# Altium PCB Luchador Pcb.PcbDoc (part 3 of 4)
Units mil, origin at the board's own origin, x right, y up, seen from the top; angles counter-clockwise.
Board outline 6102.25 x 2953 mil, 6 copper layers (Top Layer, GND PLANE 1, SL1(H), SL2(V), Power, Bottom Layer), stack 62.468 mil thick; 267 components, 233 nets, 1286 pads, 806 vias.
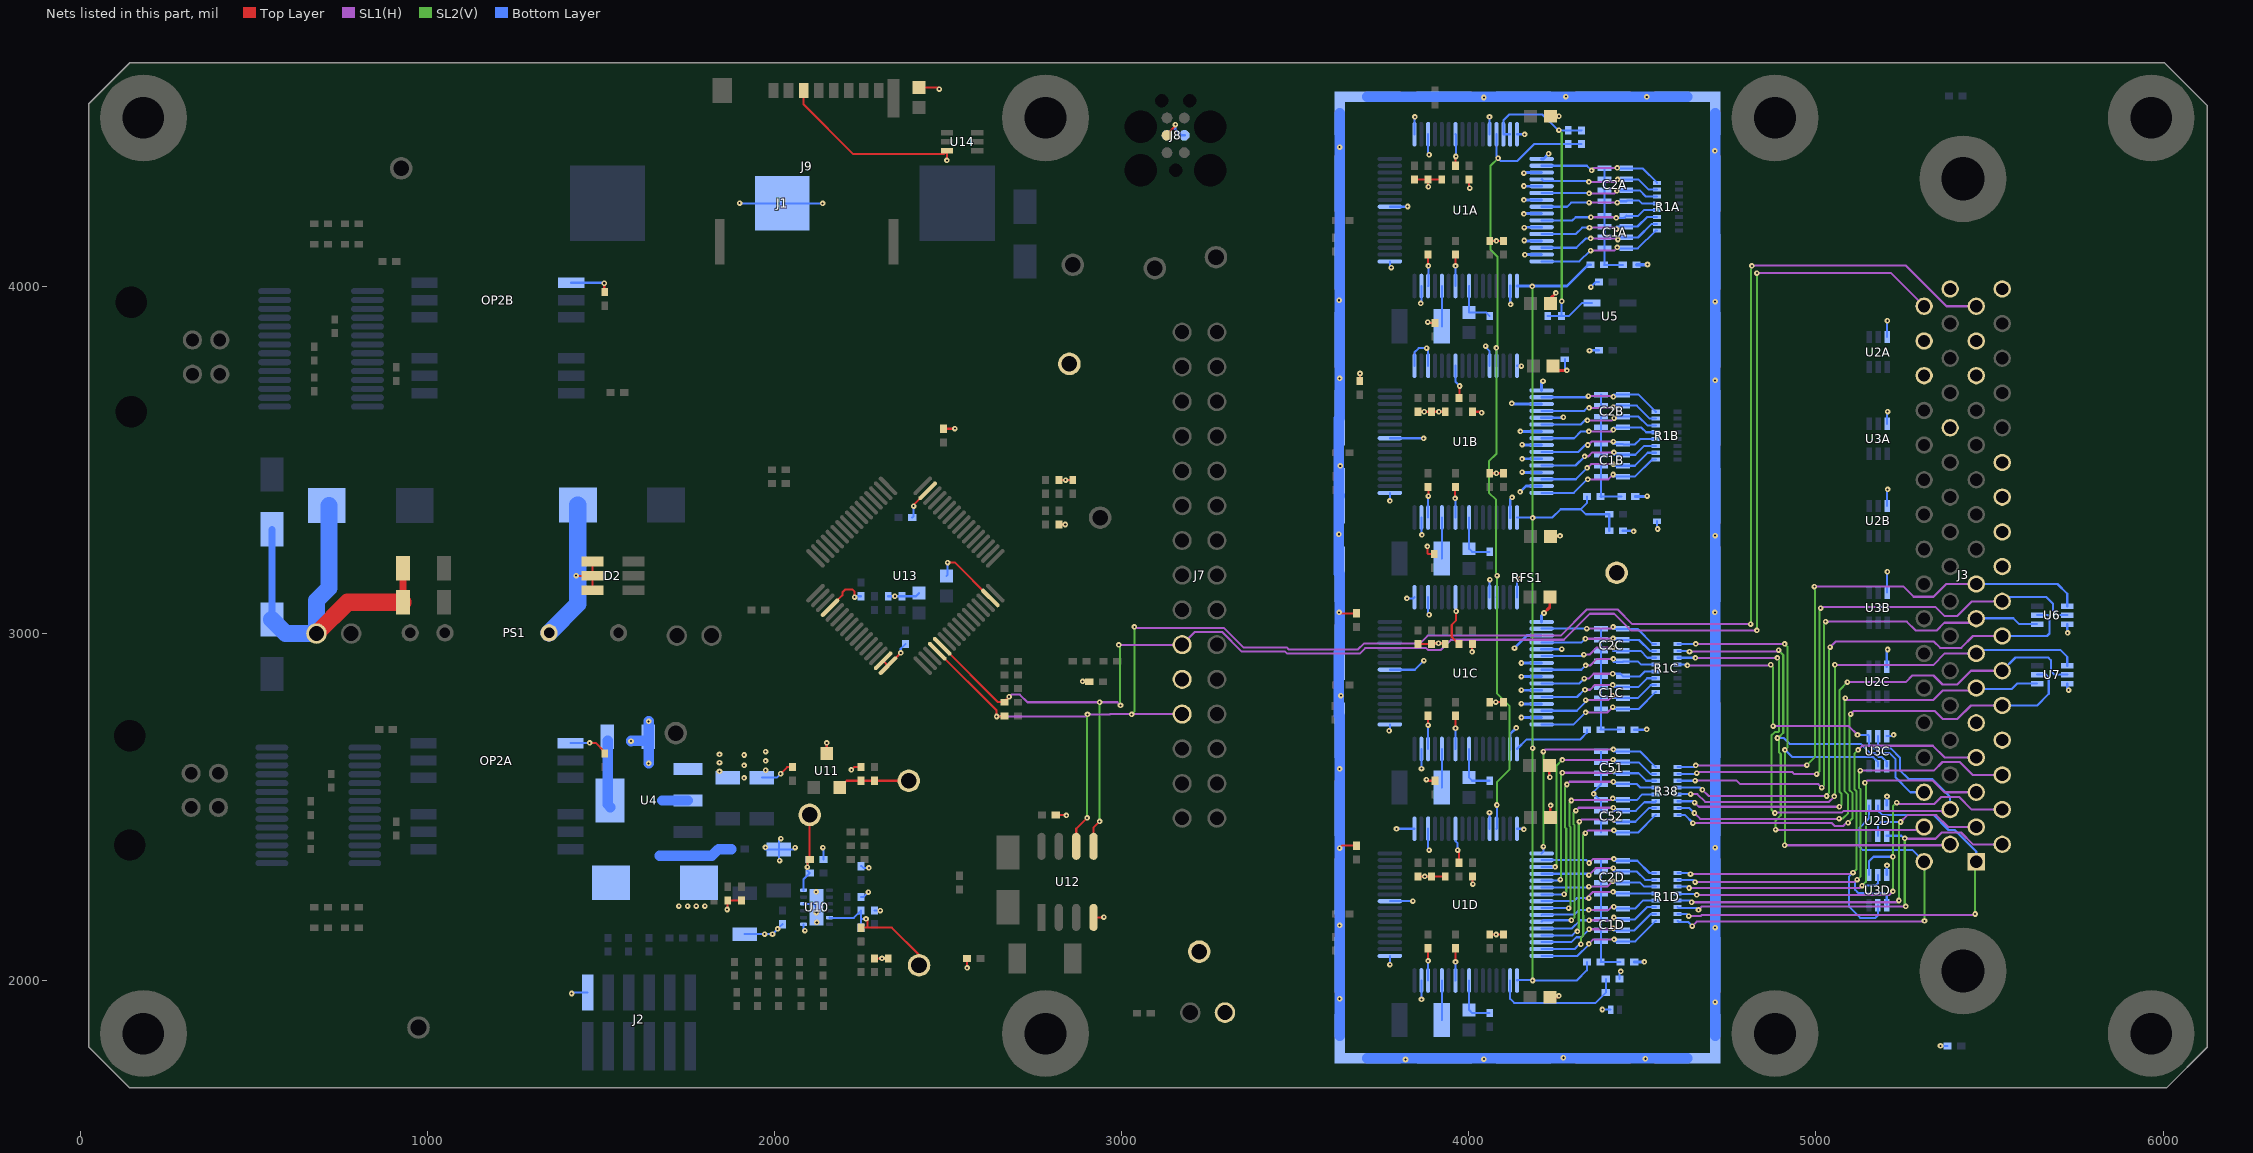
[diagram p7: the nets of this part, all layers, seen from the top]

## Via types
v1: diameter 16, hole 6, Top Layer to Bottom Layer, tented both sides, 806 vias

## Nets (pads, with @x,y where several pads share a name; then routed paths per layer and width w, separated by ;. In a path a pad name is that pad's centre, name@x,y a point inside that pad or via, vN(x,y) a via of type N, cw(c..) or ccw(c..) an arc to the next point about the centre after c; other vN are vias at no path point) (continued)
CH21: J3.39 R1C.B5 U3C.1 | length 1022.6
  SL1(H) w6: v1(4630,2908) 4868,2908 v1(4870,2910) ; v1(4877,2733) 5095,2733 v1(5120,2708) ; J3.39@5299.76,2555 J3.39@5312.01,2542.76
  SL2(V) w6: v1(4870,2910) 4877,2903 v1(4877,2733)
  Bottom Layer w6: R1C.B5@4601.77,2910.47 4627.53,2910.47 v1(4630,2908) ; v1(5120,2708) U3C.1@5151,2708 ; U3C.1@5153.15,2704.17 5153.15,2679.85 5164.72,2668.28 5174.69,2668.28 5186.69,2656.28 5211.72,2656.28 5230,2638 5230,2585.17 5272.41,2542.76 J3.39@5312.01,2542.76
CH22: J3.38 R1C.B6 U3C.2 | length 1626.1
  SL1(H) w6: v1(4653,2930) v1(4889,2930) ; v1(4882,2483) 4883,2484 5075.04,2484 5080.04,2489 5359.25,2489 5371.25,2477 J3.38@5387.01,2492.76
  SL2(V) w6: v1(4882,2483) 4872,2493 4872,2706.04 4881.96,2716 4891,2716 4894,2719 4894,2925 v1(4889,2930)
  Bottom Layer w6: R1C.B6@4601.77,2930.16 4652.84,2930.16 v1(4653,2930) ; U3C.2@5178.74,2704.17 5178.74,2681.2 5191.66,2668.28 5216.69,2668.28 5242,2642.97 5242,2606 5267.24,2580.76 5335.24,2580.76 5387.01,2528.99 J3.38@5387.01,2492.76
CH23: J3.37 R1C.B7 U3C.4 | length 1629.4
  SL1(H) w6: v1(4636,2948) 4889,2948 v1(4893,2952) ; v1(4884,2435) 4885.49,2433.51 5286.28,2433.51 5303.76,2451 J3.37@5312.01,2442.76
  SL2(V) w6: v1(4884,2435) 4884,2460.96 4899,2475.96 4899,2652.96 4894,2657.96 4894,2694 v1(4889,2699) 4890.97,2699 4906,2714.03 4906,2938 v1@4893,2951
  Bottom Layer w6: R1C.B7@4601.77,2949.84 4634.16,2949.84 v1(4636,2948) ; v1(4889,2699) 4907,2699 4924,2682 5129.04,2682 5154.77,2656.28 5169.72,2656.28 5181.72,2644.28 5190.34,2644.28 5204.33,2630.29 U3C.4@5204.33,2617.56
CH24: J3.36 R1C.B8 U3C.5 | length 1668.6
  SL1(H) w6: v1(4654,2970) v1(4910,2970) ; v1(4910,2390) 5384.25,2390 J3.36@5387.01,2392.76
  SL2(V) w6: v1(4910,2390) 4911,2391 v1(4911,2665) 4918,2672 4918,2962 v1(4910,2970)
  Bottom Layer w6: R1C.B8@4601.77,2969.53 4653.53,2969.53 v1(4654,2970) ; v1(4911,2665) 4931.72,2644.28 5164.75,2644.28 5170.02,2639 5170.02,2638.06 5171.09,2637 5172.03,2637 5178.74,2630.29 U3C.5@5178.74,2617.56
CH25: J3.35 R1D.B1 U2D.1 | length 1228.9
  SL1(H) w6: v1(4644,2157) 4657,2170 5311,2170 v1(5313,2172)
  SL2(V) w6: J3.35@5312.01,2342.76 5313,2341.76 v1(5313,2172)
  Bottom Layer w6: R1D.B1@4601.77,2172.28 4605.06,2169 4632,2169 v1(4644,2157) ; U2D.1@5153.15,2504.17 5153.15,2468.15 5126,2441 5126,2385 5135,2376 5278.76,2376 J3.35@5312.01,2342.76
CH25-: J3.10 R38.B1 U7.5 | length 1529.3
  SL1(H) w6: v1(4646,2454) 5045.95,2454 5054.43,2445.51 5078.51,2445.51 5088,2455 v1(5093,2455) ; v1(5100,2768) 5108.76,2776.76 5342.24,2776.76 5365,2754 5408,2754 5446.76,2792.76 J3.10@5537.01,2792.76
  SL2(V) w6: v1(5093,2455) 5105,2467 5105,2540.98 5097,2548.98 5097,2765 v1(5100,2768)
  Bottom Layer w6: R38.B1@4601.77,2477.4 4622.6,2477.4 v1(4646,2454) ; J3.10@5537.01,2792.76 5637.76,2792.76 5671,2826 5671,2874 5663.46,2881.54 U7.5@5637.56,2881.54
CH26: J3.1 R1D.B2 U2D.2 | length 1389.6
  SL1(H) w6: v1(4634,2186) 4668.04,2186 4671.04,2189 5456,2189 v1(5459,2192)
  SL2(V) w6: v1(5459,2192) 5459,2339.75 J3.1@5462.01,2342.76
  Bottom Layer w6: R1D.B2@4601.77,2191.97 4628.03,2191.97 v1(4634,2186) ; U2D.2@5178.74,2504.17 5178.74,2490.26 5191.54,2477.46 5338.54,2477.46 5382,2434 5400,2434 5462.01,2371.99 J3.1@5462.01,2342.76
CH26-: J3.11 R38.B2 U7.4 | length 1424.3
  SL1(H) w6: v1(4650,2483) 4667,2466 5066,2466 v1(5067,2467) ; v1(5085,2814) 5090.24,2808.76 5338.76,2808.76 5366,2836 5455.25,2836 J3.11@5462.01,2842.76
  SL2(V) w6: v1(5067,2467) 5078,2467 5093,2482 5093,2536.01 5083,2546.01 5083,2812 v1(5085,2814)
  Bottom Layer w6: R38.B2@4601.77,2497.09 4635.91,2497.09 v1(4650,2483) ; J3.11@5462.01,2842.76 5464.76,2840 5564,2840 5579.94,2855.94 U7.4@5637.56,2855.94
CH27: J3.2 R1D.B3 U2D.4 | length 1219.6
  SL1(H) w6: v1(4662,2204) 4672,2214 v1(5259,2214) ; v1(5256,2410) 5257.24,2408.76 5344.76,2408.76 5362.76,2426.76 5418.24,2426.76 5452.24,2392.76 J3.2@5537.01,2392.76
  SL2(V) w6: v1(5256,2410) 5256,2217 v1(5259,2214)
  Bottom Layer w6: R1D.B3@4601.77,2211.65 4604.43,2209 4657,2209 v1(4662,2204) ; U2D.4@5204.33,2417.56 5246.44,2417.56 5254,2410 v1(5256,2410)
CH27-: J3.12 R38.B3 U7.2 | length 1569
  SL1(H) w6: v1(4651,2513) 4663,2501 v1(5068,2501) ; v1(5091,2860) 5259,2860 5278,2879 5339,2879 5365,2853 5407,2853 5446.76,2892.76 J3.12@5537.01,2892.76
  SL2(V) w6: v1(5068,2501) 5074,2507 5074,2538.04 5068,2544.04 5068,2837 v1(5091,2860)
  Bottom Layer w6: R38.B3@4601.77,2516.77 4647.23,2516.77 v1(4651,2513) ; J3.12@5537.01,2892.76 5575.25,2931 5669,2931 5677,2923 5677,2892 5687.46,2881.54 U7.2@5724.17,2881.54
CH28: J3.3 R1D.B4 U2D.5 | length 1216
  SL1(H) w6: v1(4642,2226) 5234,2226 v1(5239,2231) ; v1(5244,2457) 5263.76,2476.76 5347.24,2476.76 5381.24,2442.76 J3.3@5462.01,2442.76
  SL2(V) w6: v1(5239,2231) v1@5242,2231 ; v1@5244,2229 v1@5242,2231 ; v1(5244,2457) 5239,2452 5239,2234 v1@5242,2231
  Bottom Layer w6: R1D.B4@4601.77,2231.34 4636.66,2231.34 v1(4642,2226) ; U2D.5@5178.74,2417.56 5178.74,2447.39 5188.35,2457 v1(5244,2457)
CH28-: J3.13 R38.B4 U7.1 | length 1570.1
  SL1(H) w6: v1(4639.39,2537.5) 4658.5,2537.5 4681,2515 5038.04,2515 5053,2529.96 v1(5053,2531) ; v1(5055,2910) 5056.24,2908.76 5337.76,2908.76 5371.76,2942.76 J3.13@5462.01,2942.76
  SL2(V) w6: v1(5053,2531) 5055,2533 v1(5055,2910)
  Bottom Layer w6: R38.B4@4601.77,2536.46 4602.82,2537.5 v1(4639.39,2537.5) ; J3.13@5462.01,2942.76 5472.25,2953 5704,2953 5724.17,2932.83 U7.1@5724.17,2907.13
CH29: J3.4 R1D.B5 U3D.1 | length 1329.9
  SL1(H) w6: v1(4657,2247) 5212,2247 v1(5222,2257) ; v1(5233,2513) 5237.24,2508.76 5340.76,2508.76 5361,2529 5413,2529 5449.24,2492.76 J3.4@5537.01,2492.76
  SL2(V) w6: v1(5222,2257) v1(5222,2357) 5222,2502 v1(5233,2513)
  Bottom Layer w6: R1D.B5@4601.77,2251.02 4602.8,2250 4654,2250 v1(4657,2247) ; U3D.1@5153.15,2304.17 5153.15,2344.15 5166,2357 v1(5222,2357)
CH29-: J3.14 R38.B5 U6.5 | length 1620.9
  SL1(H) w6: v1(4673,2550) 4691,2532 v1(5031,2532) ; v1(5041,2961) 5056.76,2976.76 5340.24,2976.76 5358.24,2958.76 5418.76,2958.76 5452.76,2992.76 J3.14@5537.01,2992.76
  SL2(V) w6: v1(5031,2532) 5031,2534 5038,2541 5038,2958 v1(5041,2961)
  Bottom Layer w6: R38.B5@4601.77,2556.14 4666.86,2556.14 v1(4673,2550) ; J3.14@5537.01,2992.76 5665.76,2992.76 5673,3000 5673,3048 5668.2,3052.8 U6.5@5637.56,3052.8
CH30: J3.5 R1D.B6 U3D.2 | length 1247.9
  SL1(H) w6: v1(4635,2267) 5126.11,2267 v1(5133.11,2274) ; v1(5141,2570) 5147.76,2576.76 5336.24,2576.76 5370.24,2542.76 J3.5@5462.01,2542.76
  SL2(V) w6: v1(5133.11,2274) 5144,2284.89 5144,2567 v1(5141,2570)
  Bottom Layer w6: R1D.B6@4601.77,2270.71 4631.29,2270.71 v1(4635,2267) ; v1(5133.11,2274) 5173,2274 5178.74,2279.74 U3D.2@5178.74,2304.17
CH30-: J3.15 R38.B6 U6.4 | length 1547.7
  SL1(H) w6: v1(4652,2576) 4772,2576 4782,2566 5007,2566 v1(5017,2556) ; v1(5028,3034) 5262,3034 5287.24,3008.76 5347.76,3008.76 5370,3031 5450.25,3031 J3.15@5462.01,3042.76
  SL2(V) w6: v1(5017,2556) 5024,2563 5024,3030 v1(5028,3034)
  Bottom Layer w6: R38.B6@4601.77,2575.83 4651.83,2575.83 v1(4652,2576) ; J3.15@5462.01,3042.76 5463.25,3044 5569,3044 5585.8,3027.2 U6.4@5637.56,3027.2
CH31: J3.6 R1D.B7 U3D.4 | length 1436.5
  SL1(H) w6: v1(4652,2284) 5112,2284 v1(5119,2291) ; v1(5128,2605) 5340,2605 5365,2630 5414,2630 5451.24,2592.76 J3.6@5537.01,2592.76
  SL2(V) w6: v1(5119,2291) 5129,2301 5129,2550.92 5124,2555.92 5124,2601 v1(5128,2605)
  Bottom Layer w6: R1D.B7@4601.77,2290.39 4602.17,2290 4646,2290 v1(4652,2284) ; v1(5119,2291) 5113,2285 5113,2262 5123,2252 5197,2252 5204.33,2244.67 U3D.4@5204.33,2217.56
CH31-: J3.16 R38.B7 U6.2 | length 1665.5
  SL1(H) w6: v1(4657,2598) 4660,2601 4932,2601 4938,2595 v1(5002,2595) ; v1(5014,3073) 5017.76,3076.76 5344.24,3076.76 5370,3051 5408,3051 5449.76,3092.76 J3.16@5537.01,3092.76
  SL2(V) w6: v1(5002,2595) 5011,2604 5011,3070 v1(5014,3073)
  Bottom Layer w6: R38.B7@4601.77,2595.51 4654.51,2595.51 v1(4657,2598) ; J3.16@5537.01,3092.76 5549.25,3105 5664,3105 5683,3086 5683,3067 5697.2,3052.8 U6.2@5724.17,3052.8
CH32: J3.7 R1D.B8 U3D.5 | length 1464.3
  SL1(H) w6: v1(4639,2307) 5103,2307 v1(5107,2311) ; v1(5122,2665) 5133.76,2676.76 5337.24,2676.76 5371.24,2642.76 J3.7@5462.01,2642.76
  SL2(V) w6: v1(5107,2311) 5117,2321 5117,2545.95 5111,2551.95 5111,2654 v1(5122,2665)
  Bottom Layer w6: R1D.B8@4601.77,2310.08 4635.92,2310.08 v1(4639,2307) ; v1(5107,2311) 5095,2299 5095,2214 5128,2181 5172,2181 5178.74,2187.74 U3D.5@5178.74,2217.56
CH32-: J3.17 R38.B8 U6.1 | length 1702
  SL1(H) w6: v1(4654,2620) 4973,2620 v1(4974,2621) ; v1(4996,3135) 5253,3135 5282,3106 5339,3106 5375.76,3142.76 J3.17@5462.01,3142.76
  SL2(V) w6: v1(4974,2621) 4997,2644 4997,3134 v1(4996,3135)
  Bottom Layer w6: R38.B8@4601.77,2615.2 4649.2,2615.2 v1(4654,2620) ; J3.17@5462.01,3142.76 5696.24,3142.76 5724.17,3114.83 U6.1@5724.17,3078.39
GND: C5A.2 C5B.2 C5C.2 C5D.2 C6A.2 C6B.2 C6C.2 C6D.2 C7A.2 C7B.2 C7C.2 C7D.2 C8A.2 C8B.2 C8C.2 C8D.2 C13A.2 C13B.2 C13C.2 C13D.2 C14A.2 C14B.2 C14C.2 C14D.2 C15.1 C16.2 C18.2 C19.2 C20A.2 C20B.2 C20C.2 C20D.2 C21A.2 C21B.2 C21C.2 C21D.2 C47.1 C49.1 C51.B1 C51.B2 C51.B3 C51.B4 C52.B1 C52.B2 C52.B3 C52.B4 C53.1 C57A.2 C57B.2 C61.2 C62.2 C63.2 C67.2 C68.2 C69.2 C70.2 C71.2 C72.2 C74.1 C76.2 C77.2 C78.2 C79.1 C94.2 C95.2 C96.2 C97.2 C98.2 C99.2 C100.2 C101.2 C102.2 D2.1 D2.2 D2.3 D6.2 D7.2 D20.2 GND1.1 GND2.1 GND3.1 J1.2 J2.6 J3.8 J3.9 J3.18 J3.20 J3.22 J3.24 J3.29 J3.31 J3.34 J3.60 J3.63 J3.65 J3.68 J7.22 J8.4 J9.6 JP3.2 OP2A.4 OP2B.4 PS1.5 R4.1 R12A.1 R12B.1 R12C.1 R12D.1 R13.2 R15.2 R31.1 R32.1 R33.1 R34.1 R35.1 R37.1 R47.1 R50.1 R55.1 R56.1 R58.2 RFS1.M U1A.1 U1A.3 U1A.5 U1A.7 U1A.9 U1A.11 U1A.13 U1A.15 U1A.18 U1A.31 U1A.33 U1A.41 U1A.49 U1A.51 U1A.60 U1A.64 U1B.1 U1B.3 U1B.5 U1B.7 U1B.9 U1B.11 U1B.13 U1B.15 U1B.18 U1B.31 U1B.33 U1B.41 U1B.49 U1B.51 U1B.60 U1B.64 U1C.1 U1C.3 U1C.5 U1C.7 U1C.9 U1C.11 U1C.13 U1C.15 U1C.18 U1C.31 U1C.33 U1C.41 U1C.49 U1C.51 U1C.60 U1C.64 U1D.31 U1D.33 U1D.41 U1D.49 U1D.51 U1D.60 U1D.64 U2A.3 U2B.3 U2C.3 U2D.3 U3A.3 U3B.3 U3C.3 U3D.3 U4.1 U6.3 U7.3 U10.1 U10.4 U10.TP U11.3 U12.4 U13.4 U13.15 U13.16 U13.31 U13.47 U14.3 | length 15572.3
  Top Layer w6: v1(1429,3167) 1430,3166 D2.2@1476,3166 ; v1(1468,2685) 1485,2685 1511.22,2658.78 C57A.2@1511.22,2654.57 C57A.2@1512,2655.35 ; D2.3@1476,3124.66 D2.2@1476,3166 ; D2.1@1476,3207.34 D2.2@1476,3166 ; v1(1510,4009) 1510,3984.53 C57B.2@1511.22,3983.31 ; v1(1864,2205) 1865.55,2206.55 R47.1@1865.55,2231.34 C61.2@1904.92,2231.34 ; v1(2018,2596) 2037.2,2615.2 C76.2@2052.56,2615.2 ; J9.6@2084.06,4564.02 2084.06,4524.34 2227.4,4381 2487.65,4381 U14.3@2497.44,4390.79 2497.44,4363.44 v1(2497,4363) ; U11.3@2150.98,2654.57 v1(2151,2685) ; U13.4@2160.22,3074.51 2196,3110.29 2196,3118.21 2204.79,3127 2224,3127 2231,3120 v1(2231,3105) ; v1(2222,2607) 2230.2,2615.2 C77.2@2249.41,2615.2 ; R56.1@2288.78,2064.02 v1(2310,2064.02) C72.2@2328.15,2064.02 ; U13.15@2313.33,2921.4 U13.16@2327.25,2907.48 2363.78,2944 v1(2364,2944) ; v1(2401,3367) 2401,3370.97 U13.47@2441.39,3411.36 ; C102.2@2416.73,4572.87 2470.13,4572.87 v1(2475,4568) ; v1(2499,3204) 2520.69,3204 U13.31@2622.34,3102.35 ; C79.1@2554.53,2064.02 2554.53,2037.47 v1(2555,2037) ; C78.2@2810.43,2477.4 2839.6,2477.4 v1(2841,2476) ; C101.2@2820.28,3314.02 v1(2838,3314) ; R50.1@2820.28,3441.97 v1(2839,3441.97) C67.2@2859.65,3441.97 ; U12.4@2919.49,2182.13 2948.13,2182.13 v1(2949,2183) ; J8.4@3132.28,4435.67 3132.28,4439.28 3155,4462 v1(3155,4466) ; v1(3627,3061) 3629.89,3058.11 R33.1@3676.57,3058.11 ; v1(3628.04,2382) 3634.86,2388.82 R35.1@3676.57,2388.82 ; R31.1@3686.42,3727.4 3686.42,3748.42 v1(3687,3749) ; C14A.2@3843.9,4308.11 C13A.2@3883.27,4308.11 ; C14D.2@3853.74,2300.24 v1(3873.43,2300.24) C13D.2@3893.11,2300.24 C5D.2@3932.48,2300.24 ; C14C.2@3853.74,2969.53 C13C.2@3893.11,2969.53 3895.58,2972 v1(3913,2972) 3930.01,2972 C5C.2@3932.48,2969.53 ; C14B.2@3853.74,3638.82 v1(3872,3638.82) C13B.2@3893.11,3638.82 v1(3914,3638.82) C5B.2@3932.48,3638.82 ; v1(3878,2579) 3881.17,2575.83 R37.1@3902.95,2575.83 ; v1(3881,3251) 3881,3231 3883,3229 R34.1@3901,3229 ; v1(3882,3897) 3884.28,3894.72 R32.1@3902.95,3894.72 ; v1(3884,4287) 3883.27,4287.73 C13A.2@3883.27,4308.11 ; C5A.2@3922.64,4308.11 C13A.2@3883.27,4308.11 ; C7A.2@4001.38,4308.11 4001.38,4284.62 v1(4003,4283) ; v1(4010,2947) 4010,2968.31 C7C.2@4011.22,2969.53 ; C7D.2@4011.22,2300.24 4011.22,2278.78 v1(4012,2278) ; C7B.2@4011.22,3638.82 4034.18,3638.82 v1(4037,3636) ; C8D.2@4060.43,2132.91 v1(4079,2132.91) C6D.2@4099.8,2132.91 ; C8C.2@4060.43,2802.2 v1(4078,2802.2) C6C.2@4099.8,2802.2 ; C8B.2@4060.43,3461.65 v1(4080,3461.65) C6B.2@4099.8,3461.65 ; C8A.2@4060.43,4130.94 v1(4080,4130.94) C6A.2@4099.8,4130.94
  Top Layer w8: R15.2@2487,3590 v1(2520,3590) ; v1(2888,2862) 2889,2861 R13.2@2907,2861 ; v1(4217,3059) 4233.54,3075.54 C20C.2@4233.54,3105 ; C21C.2@4232.09,2620 4232.09,2587.91 v1(4234,2586) ; C21D.2@4233.54,1952.24 4256.24,1952.24 v1(4260,1956) ; C20D.2@4235,2470 4235,2504 v1(4236,2505) ; C21B.2@4235,3280 4263,3280 v1(4263,3281) ; C21A.2@4235,3950 4235,3965 v1(4251,3981) ; C20A.2@4235,4490 v1(4260,4490) ; C20B.2@4243.54,3770 4255.54,3758 v1(4283,3758)
  Bottom Layer w6: OP2A.4@1412.4,2684.09 1413.31,2685 v1(1468,2685) ; OP2B.4@1414.76,4010.47 1508.53,4010.47 v1(1510,4009) ; v1(1416,1963) 1418.59,1965.59 J2.6@1462.01,1965.59 ; v1(1900,4240) 1900.79,4239.21 J1.2@2023.03,4239.21 2138.79,4239.21 v1(2139,4239) ; C69.2@1914.76,2133.91 1914.85,2134 v1(1972,2134) v1(1994.59,2134) v1(2009.59,2149) C70.2@2023.03,2162.44 ; C62.2@1963.98,2584.67 2006.67,2584.67 v1(2018,2596) ; v1(1974,2384) 1974,2378 C68.2@2013.19,2377.98 ; v1(2015,2346) 2013.19,2347.81 C68.2@2013.19,2377.98 ; v1(2019,2409) 2013.19,2403.19 C68.2@2013.19,2377.98 ; v1(2060,2383) 2054.98,2377.98 C68.2@2013.19,2377.98 ; U10.1@2084.05,2162.13 2084.05,2147.95 v1(2088,2144) ; U10.4@2084.05,2221.18 2111.93,2221.18 U10.TP@2121.46,2211.65 ; v1(2140,2383) 2141.14,2381.86 C74.1@2141.14,2349.45 ; v1(2231,3105) 2233.32,3107.32 C98.2@2249.41,3107.32 ; C71.2@2249.41,2241.18 2257.18,2241.18 v1(2271,2255) ; R58.2@2249.41,2329.76 2250.41,2330.76 2256.17,2325 v1(2272,2325) ; R55.1@2288.78,2201.81 2304.81,2201.81 v1(2305,2202) ; C95.2@2328.15,3107.32 v1(2347,3107.32) C96.2@2367.52,3107.32 2407.87,3107.32 C94.2@2416.73,3116.18 ; v1(2364,2944) 2364,2956.17 C100.2@2377.36,2969.53 ; C99.2@2397.05,3333.7 2401,3337.65 v1(2401,3367) ; C97.2@2495.47,3165.39 2499,3168.92 v1(2499,3204) ; v1(3771,2720) 3773.03,2722.03 U1C.33@3773.03,2738.24 ; v1(3773,2046) U1D.33@3773.03,2071.42 ; U1D.41@3773.03,2228.9 3838.9,2228.9 v1(3839,2229) ; U1C.41@3773.03,2895.72 3844.72,2895.72 v1(3871,2922) ; v1(3773,3382) U1B.33@3773.03,3405.07 ; U1B.41@3773.03,3562.55 3869.45,3562.55 v1(3870,3562) ; U1A.33@3773.03,4071.89 3773.03,4057.97 v1(3777,4054) ; U1A.41@3773.03,4229.37 3823.37,4229.37 v1(3824,4230) ; v1(3792,2437) 3792.56,2437.56 U1D.49@3843.9,2437.56 ; v1(3822,3101) 3840.51,3101 U1C.49@3843.9,3104.38 ; U1B.49@3843.9,3771.21 3843.9,3809.9 3856,3822 v1(3879,3822) 3883.27,3817.73 U1B.51@3883.27,3771.21 ; U1A.49@3843.9,4438.03 3843.9,4486.9 v1(3845,4488) ; v1(3862,3951) 3863.58,3952.58 U1A.31@3863.58,4001.02 ; U1D.31@3863.58,2000.55 3863.58,1946.42 v1(3864,1946) ; U1C.31@3863.58,2667.38 3863.58,2611.42 v1(3864,2611) ; U1B.31@3863.58,3334.2 3863.58,3285.42 v1(3865,3284) ; U1D.51@3883.27,2437.56 3883.27,2378.73 v1(3886,2376) ; U1C.51@3883.27,3104.38 3883.27,3056.73 v1(3886,3054) ; U1A.51@3883.27,4438.03 3883.27,4381.73 v1(3886,4379) ; v1(4049,3828) 4049,3824.76 4060.43,3813.33 U1B.60@4060.43,3771.21 ; v1(4060,2484) 4060.43,2483.57 U1D.60@4060.43,2437.56 ; v1(4060,4488) 4060.43,4487.57 U1A.60@4060.43,4438.03 ; U1C.60@4060.43,3104.38 4060.43,3154.43 v1(4061,3155) ; U1D.64@4139.17,2437.56 4157.44,2437.56 v1(4159,2436) ; U1C.64@4139.17,3104.38 4139.17,3149.17 v1(4148,3158) ; U1B.64@4139.17,3771.21 4150.79,3771.21 v1(4152,3770) ; U1A.64@4139.17,4438.03 v1(4161,4438) ; D20.2@4276.97,3790.39 4276.97,3764.03 v1(4283,3758) ; v1(4348,3815) 4348.98,3815.98 C49.1@4375.39,3815.98 ; v1(4352,3998) 4366.83,4012.83 C47.1@4375.39,4012.83 ; C52.B1@4381.3,2426.22 C52.B2@4381.3,2457.72 C52.B3@4381.3,2489.21 C52.B4@4381.3,2520.71 4377.29,2520.71 v1(4360,2538) 4360,2544.69 C51.B1@4381.3,2565.98 C51.B2@4381.3,2597.48 C51.B3@4381.3,2628.98 C51.B4@4381.3,2660.47 ; v1(4385,1917) 4385.62,1916.38 D7.2@4408.86,1916.38 ; C53.1@4434.45,2004.96 4434.45,2023.45 v1(4438,2027) ; D6.2@4542.72,3323.86 4542.72,3302.28 v1(4544,3301) ; U3D.3@5204.33,2304.17 5204.33,2331.33 v1(5205,2332) ; U2D.3@5204.33,2504.17 5204.33,2530.33 v1(5205,2531) ; U3C.3@5204.33,2704.17 5220.17,2704.17 v1(5224,2708) ; U2C.3@5204.33,2904.17 5204.33,2951.33 v1(5207,2954) ; U3B.3@5205.51,3117.56 5205.51,3177.51 v1(5206,3178) ; U2B.3@5205.51,3367.56 5205.51,3413.51 v1(5207,3415) ; U3A.3@5205.51,3604.17 5205.51,3637.51 v1(5207,3639) ; U2A.3@5205.51,3854.17 5205.51,3900.51 v1(5206,3901) ; v1(5359,1812) v1(5359,1812) R4.1@5379.33,1812.05 ; U7.3@5724.17,2855.94 5724.17,2840.83 v1(5728,2837) ; U6.3@5724.17,3027.2 5724.17,3002.83 v1(5725,3002)
  Bottom Layer w8: v1(3155,4466) 3155,4454 3154,4453 3172,4435 J8.4@3181,4435 ; U1C.18@4119.49,2667.38 4119.49,2710.49 v1(4137,2728) ; U1B.18@4119.49,3334.2 4119.49,3386.49 v1(4125,3392) ; U1A.18@4119.49,4001.02 4119.49,3949.51 v1(4121,3948) ; v1(4124,3663) 4126.03,3660.97 U1B.3@4210.04,3660.97 ; v1(4132,2958) 4168.15,2994.15 U1C.3@4210.04,2994.15 ; v1(4148,3408) 4164.75,3424.75 U1B.15@4210.04,3424.75 ; v1(4149,3582) 4149.23,3582.23 U1B.7@4210.04,3582.23 ; v1(4152,2758) 4152.07,2757.93 U1C.15@4210.04,2757.93 ; v1(4152,2798) 4152.7,2797.3 U1C.13@4210.04,2797.3 ; v1(4152,2837) 4152.33,2836.67 U1C.11@4210.04,2836.67 ; v1(4152,2876) v1(4152,2876) U1C.9@4210.04,2876.04 ; v1(4152,2915) 4152.41,2915.41 U1C.7@4210.04,2915.41 ; v1(4154,3465) 4154.88,3464.12 U1B.13@4210.04,3464.12 ; v1(4154,3503) 4154.49,3503.49 U1B.11@4210.04,3503.49 ; v1(4154,3544) 4155.14,3542.86 U1B.9@4210.04,3542.86 ; v1(4159,4209) 4159.69,4209.69 U1A.9@4210.04,4209.69 ; v1(4159,4249) 4159.06,4249.06 U1A.7@4210.04,4249.06 ; v1(4159,4289) 4159.57,4288.43 U1A.5@4210.04,4288.43 ; v1(4159,4326) 4160.8,4327.8 U1A.3@4210.04,4327.8 ; v1(4160,4132) 4161.05,4130.95 U1A.13@4210.04,4130.95 ; v1(4160,4169) 4161.32,4170.32 U1A.11@4210.04,4170.32 ; v1(4162,4091) 4162.58,4091.58 U1A.15@4210.04,4091.58 ; U1C.5@4210.04,2954.78 4267.78,2954.78 v1(4268,2955) ; U1C.1@4210.04,3033.52 4210.04,3052.04 v1(4217,3059) ; U1B.5@4210.04,3621.6 4271.6,3621.6 v1(4273,3623) ; U1B.1@4210.04,3700.34 4210.04,3723.04 v1(4214,3727) ; U1A.1@4210.04,4367.17 4215.17,4367.17 v1(4230,4382) ; C15.1@4444.37,3296 4473,3296 v1(4475,3294) ; R12D.1@4477,2054 v1(4506,2054) ; R12C.1@4478,2723 4512,2723 v1(4513,2724) ; R12B.1@4480,3395 4513,3395 v1(4514,3396)